# Altium PCB LimeSDR-Micro_M.2_2280_1v2.PcbDoc (part 4 of 9) (continued)
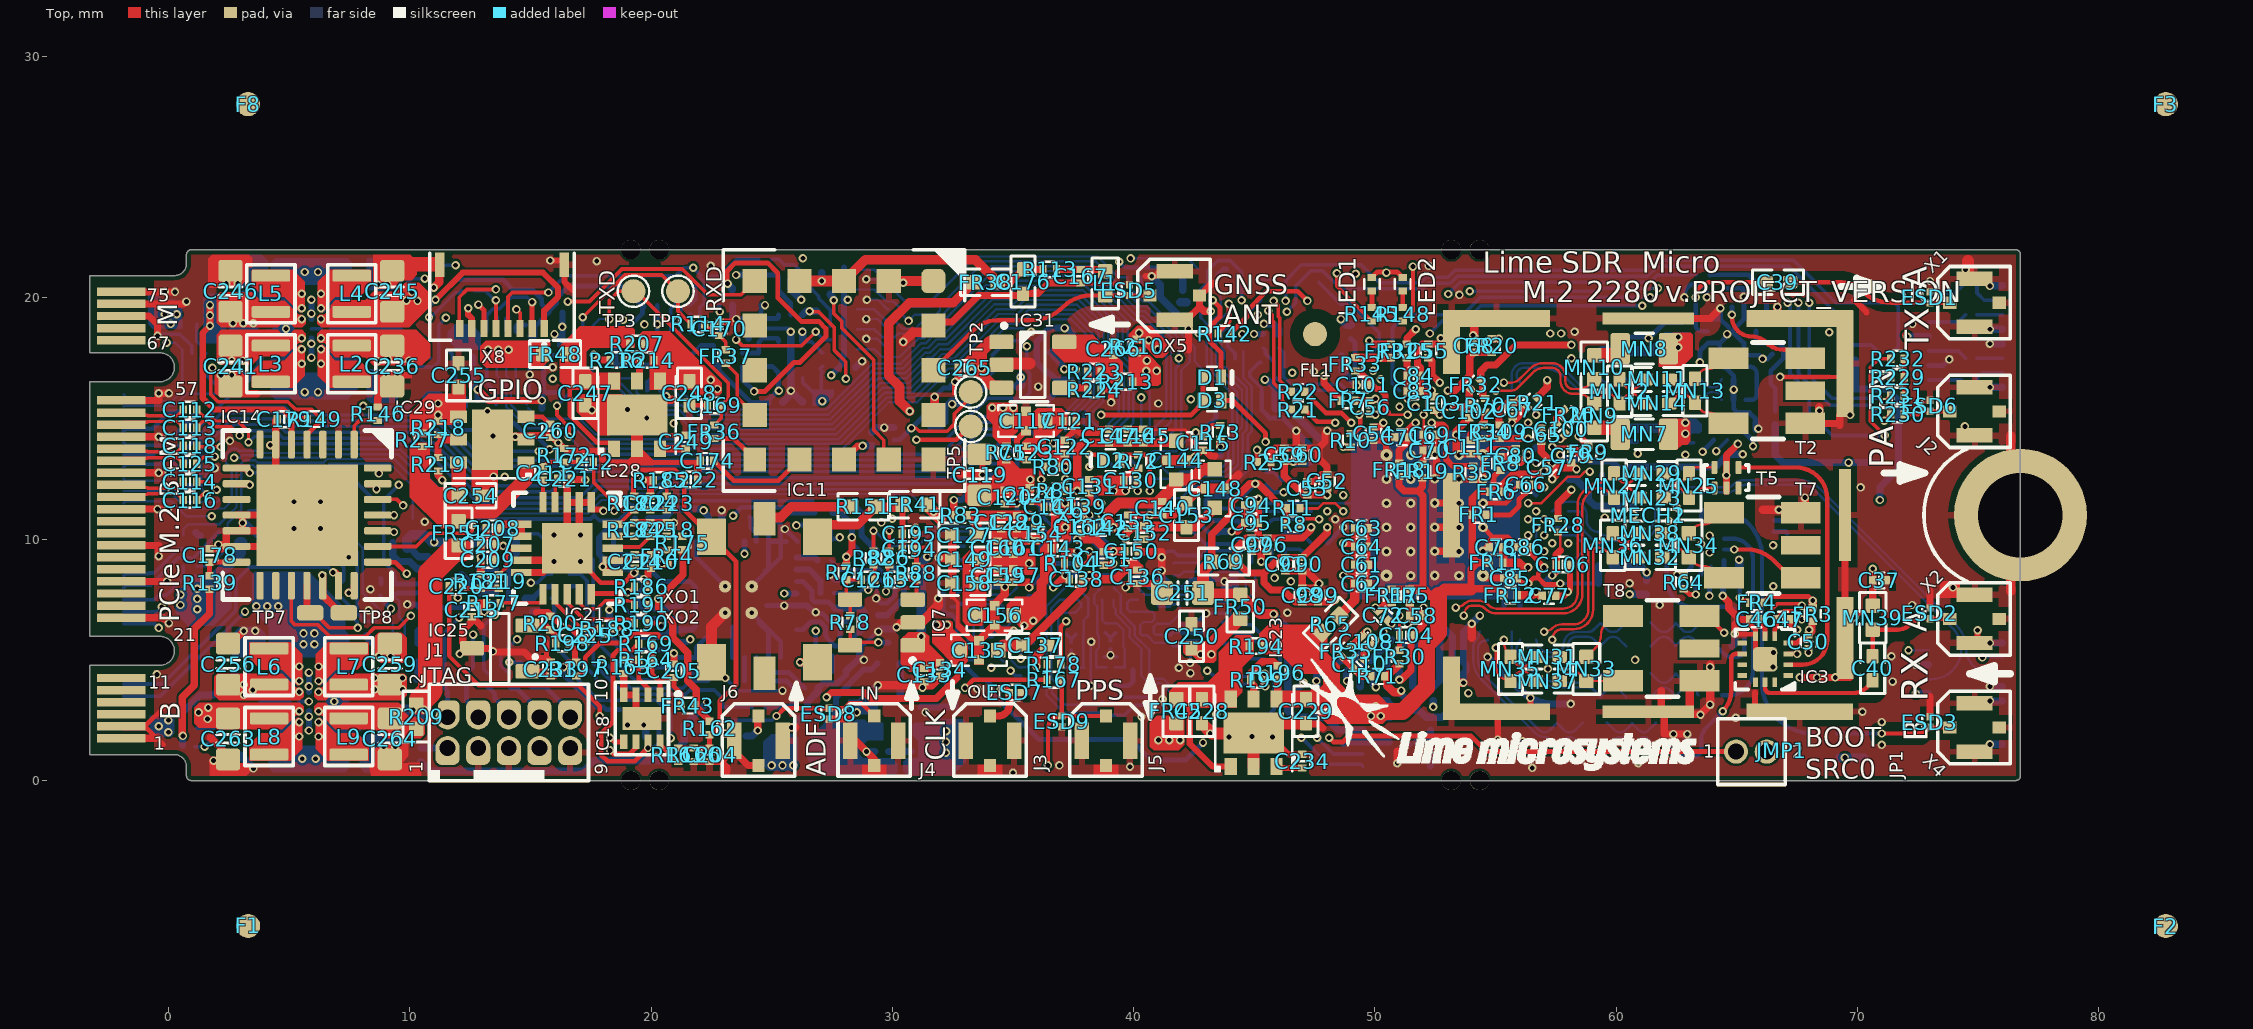
[diagram p0: Top view]
## Nets (pads, with @x,y where several pads share a name; then routed paths per layer and width w, separated by ;. In a path a pad name is that pad's centre, name@x,y a point inside that pad or via, vN(x,y) a via of type N, cw(c..) or ccw(c..) an arc to the next point about the centre after c; other vN are vias at no path point) (continued)
  Bottom w0.25: v1(5.825,2.075) IC30.F3@5.825,2.475 IC30.E3@5.825,2.875 ; IC30.C3@5.825,3.675 v1(5.825,3.9) IC30.B3@5.825,4.075 v1(5.825,4.475) ; v1(5.925,17.525) IC26.B3@5.925,17.925 v1(5.925,18.1) IC26.C3@5.925,18.325 ; IC26.E3@5.925,19.125 v1(5.925,19.35) IC26.F3@5.925,19.525 v1(5.925,19.925) ; v1(9.9,7.3) 10.27,7.3 10.42,7.15 10.445,7.15 10.47,7.125 C232.2@10.47,7.1 ; v2(10.275,4.175) 10.275,4.202 10.3,4.227 IC24.2@10.3,4.925 ; IC12.7@16.325,18.1 C164.2@16.325,19.4 ; v1(19.705,8.35) 19.705,7.971 19.45,7.716 19.45,7.384 19.709,7.125 20.825,7.125 20.95,7.25 IC16.4@21.225,7.25 ; C165.1@20.405,16.175 20.45,16.175 20.625,16 v1(20.625,15.925) ; v1(25.525,7.25) 26.475,7.25 v1@26.8,6.925 ; C193.1@26.955,3.85 27.13,4.025 27.725,4.025 28.08,4.38 R150.2@28.08,4.525 ; v1(27.425,8.525) 27.645,8.305 28.325,8.305 C197.1@28.35,8.33 ; IC17.2@27.525,11.087 27.863,11.087 28.325,10.625 28.325,9.785 C196.1@28.825,9.285 ; IC1.K4@57.011,13.493 v1(57.344,13.16) ; C82.2@59.416,12.685 C107.2@59.416,11.935 60.381,11.935 60.441,11.875 ; v1@63.899,3.15 T6.2@63.899,3.53 T6.5@63.899,4.38 v1@63.899,4.75 ; v1(64.416,7.65) 64.418,7.652 64.418,7.997 C49.2@64.421,8 ; T1.2@64.867,15.775 T1.5@64.867,16.625
  Bottom w0.3: v1(-0.4,14.25) 0.275,14.25 1.18,15.155 R143.2@1.18,15.275 ; v1(2.175,16.8) C235.1@3.488,16.8 ; v1(3.075,10.675) 3.2,10.675 4.375,9.5 C231.1@5.425,9.5 ; C235.1@3.175,16.527 3.8,17.152 3.8,18.215 C244.2@4.15,18.565 ; v1(8.725,5.15) v1(9.2,5.15) ; v2(9.3,9.85) 9.3,9.325 9.55,9.075 C177.2@9.89,9.075 10.003,9.075 10.303,8.775 IC13.7@10.75,8.775 IC13.PAD@11.4,8.775 ; IC13.PAD@12.15,8.525 12.9,7.775 IC13.4@13.55,7.775 ; IC13.PAD@12.9,8.275 IC13.3@13.55,8.275 ; IC13.PAD@12.9,8.775 IC13.2@13.55,8.775 ; IC13.PAD@12.9,9.275 IC13.1@13.55,9.275 ; C206.1@15.1,6.995 15.37,6.995 v2(15.375,7) ; C201.1@18.45,8.815 C199.1@19.1,8.815 19.125,8.815 19.125,8.775 v1(19.3,8.6) 19.569,8.331 v1@19.686,8.331 ; v1(19.7,2.3) v1@19.71,2.29 ; R170.2@19.778,1.8 C202.2@19.778,2.475 ; v1(22.925,11.2) 22.93,11.195 C182.1@22.93,10.875 ; C173.2@23.38,19.7 23.38,19.234 23.5,19.114 v1@23.5,19.1 ; v1@23.501,19.101 23.896,19.101 23.92,19.125 C216.2@23.945,19.125 ; v1(23.525,20.95) C217.1@23.945,20.95 ; C216.2@23.945,19.15 C216.2@23.945,19.125 ; C227.1@24.045,18.325 24.045,19.025 C216.2@23.945,19.125 ; C226.2@25.456,15.681 v1@25.85,16.075 ; v1(25.789,18.6) IC22.2@25.789,18.19 25.789,16.161 26.25,15.7 R135.2@26.295,15.7 ; IC20.2@25.789,20.79 25.789,20.361 v1(26.225,19.925) ; v1(25.825,2.2) 26.48,2.855 R152.2@26.48,3.25 26.48,3.275 26.505,3.275 26.93,3.7 C193.1@26.93,3.825 26.93,3.85 C193.1@26.955,3.85 ; R150.2@28.08,4.525 28.555,5 v1(28.825,5) 28.65,5.175 C187.2@28.65,5.57 ; C163.1@28.475,17.125 v1@28.738,17.387 ; v1(28.93,1.2) R203.2@29.28,1.2 ; C171.2@29.15,14.43 29.345,14.625 IC10.2@30.075,14.625 ; v1(29.425,6.175) 29.439,6.175 29.549,6.285 R85.2@29.85,6.285 30.096,6.285 30.161,6.35 v1(30.175,6.35) ; IC27.PAD@30.325,3.45 IC27.2@30.325,4.85 ; IC27.PAD@31.2,3.046 C239.1@32.586,3.046 32.586,3.489 32.295,3.78 C243.1@32.295,4.29 31.69,4.29 v1(31.25,3.85) ; v1(39.066,15.672) R136.2@39.066,16.045 ; v1(40.75,20.9) 41.1,20.55 41.1,20.033 41.958,19.175 R130.2@42.227,19.175 42.227,18.773 v1(42.275,18.725) ; R15.1@43.491,10.275 43.541,10.325 v1@44.041,10.325 ; v1@46.816,14.365 IC1.J33@47.354,13.826 ; C81.1@47.591,3.88 47.591,4.41 C73.2@47.731,4.55 ; C89.2@48.611,17.6 48.611,17.005 v1(49.241,16.375) ; C28.2@48.7,1.54 48.76,1.6 IC2.7@49.5,1.6 IC2.PAD@50.6,1.6 ; v1@48.831,4.157 C74.2@48.831,4.55 ; C75.2@49.931,4.55 49.931,3.985 v1(50.041,3.875) ; v1@51.011,4.157 C105.2@51.011,4.55 ; IC2.PAD@51.7,1.6 IC2.2@52.3,1.6 ; C88.2@52.122,4.55 52.122,4.943 52.241,5.061 v2(52.241,5.075) ; IC2.4@52.3,0.6 IC2.3@52.3,1.1 IC2.2@52.3,1.6 ; IC2.1@52.3,2.1 IC2.2@52.3,1.6 ; v1(53.666,4.05) 53.666,4.445 C76.2@53.771,4.55 53.771,4.795 53.666,4.9 53.666,6.152 v1(54.014,6.5) v1(54.347,6.833) ; v1(54.666,5.125) 56.085,3.705 ccw(c57.366,4.986) 57.366,3.175 v1(58.116,3.175) ; v1(62.366,1.925) v1(62.941,1.925) ; v1@63.478,2.737 v1(63.891,3.15) ; T4.1@64.8,5.565 64.916,5.68 v1(64.916,6.075) ; v1@65.791,14.55 R63.2@65.791,14.85 ; v1(72.418,4.8) X6.4@72.943,4.8 ; v1(75.483,1.5) X6.15@76.008,1.5 ; v1(75.482,3.3) X6.9@76.007,3.3 ; v1(75.483,3.9) X6.7@76.008,3.9 ; v1(75.483,5.7) X6.1@76.008,5.7 ; v1(75.483,16.3) X7.15@76.008,16.3 ; v1(75.482,18.1) X7.9@76.007,18.1 ; v1(75.483,18.7) X7.7@76.008,18.7 ; v1(75.483,20.5) X7.1@76.008,20.5
  Bottom w0.35: C261.1@3.003,1.022 v1(3.525,0.5) ; v2@8.213,5.987 8.6,5.6 C257.1@8.827,5.6 ; T3.1@62.941,1.41 v1(62.941,1.925) ; C51.2@65.091,8.78 v1(65.091,9.15)
  Bottom w0.4: v3(5.2,10.45) 5.334,10.316 5.334,9.591 C231.1@5.425,9.5
  other v1: 35,0.325 56.516,0.525 39.85,0.575 36.925,0.625 60.916,0.725 1.875,0.825 8.925,1.4 9.4,1.4 71,1.475 56.116,1.625 43.95,1.8 45.75,1.8 44.9,1.825 43.175,1.95 19.025,2.3 71,2.425 64.95,2.6 5.825,2.65 40.325,2.65 31.375,2.825 70.2,2.85 41.2,3.375 33.525,3.8 71.45,4.1 47.575,4.125 48.841,4.125 51.016,4.175 67.6,4.275 68.325,4.275 69.075,4.275 -0.475,4.4 45.425,4.425 42.35,4.45 57.166,4.625 34.1,4.675 41.875,4.675 66.5,4.7 42.341,4.875 60.783,5 37.441,5.125 71.4,5.15 39.041,5.2 66.516,5.3 13.45,5.35 3.6,6.2 27.8,6.6 69.875,6.775 46.375,6.95 26.825,6.975 8.3,7.05 61.8,7.275 72.259,7.274 31.9,7.55 12,7.575 8.375,7.925 73.95,8 66.508,8.05 60.55,8.175 43.766,8.25 41.167,8.7 7.475,9.25 12.945,9.275 63.866,9.45 66.5,9.75 63.516,9.8 63.866,10.15 44.066,10.325 30.975,10.475 29.55,10.7 10.625,10.725 62.166,10.775 60.241,10.9 -0.45,11.25 -0.025,11.25 70.125,12.15 17.275,12.46 13.475,12.6 -0.4,12.75 1.925,12.95 42.516,13.4 62.866,13.5 60.891,13.55 59.341,13.725 36.667,13.975 16.16,14 2.55,14.075 57.677,14.159 14.375,14.25 13.45,14.275 65.891,14.575 29.664,14.625 74.45,14.675 19.825,15.025 50.018,15.158 69.691,15.15 13.225,15.3 17.55,15.35 19.025,15.375 41.025,15.625 25.8,16.15 64.866,16.2 36.05,16.325 50.241,16.625 2.625,16.8 9.025,16.875 9.5,16.875 47.466,16.95 15.925,17.125 28.75,17.375 58.141,17.5 52.725,18.325 61.341,18.325 54.066,18.45 16,18.5 64.591,18.5 68.825,18.575 35.75,18.6 58.275,18.6 4.875,18.725 16.325,18.8 20.256,18.912 72.275,18.925 23.525,19.125 45.15,19.3 53.5,20.125 -0.15,20.25 8.675,20.55 9.075,20.55 2.4,20.6 2.875,20.6 30.45,20.625 73,20.7 74.475,21.175 22.475,21.325 52.225,21.325 17.75,21.525
  other v2: 44.241,5.4 8.2,6 16.915,8.053 30.9,11.15 12.375,14.875 50.684,15.824 11.875,18.3 12.2,18.65
  other v3: 51.48,8.49 52.48,8.5 53.48,8.49 50.48,9.49 51.48,9.49 53.48,9.49 6.3,10.45 50.48,10.49 51.48,10.49 53.48,10.49 50.48,11.49 51.48,11.49 53.48,11.49 5.2,11.55 6.3,11.55 50.48,12.49 51.48,12.49 53.48,12.49 52.48,12.5 51.48,13.49 52.48,13.5
  other v4: 50.48,8.49 17.075,9.075 17.075,10.175
GNSS_1PPS: IC11.6 R176.1 | length 7.9
  Top w0.15: v1(27.575,19.9) 27.575,19.35 27.9,19.025 27.9,18.75 29.225,17.425 29.225,14.525 29.65,14.1 29.65,13.5 IC11.6@29.85,13.3
  Bottom w0.3: R176.1@27.43,20.15 27.43,20.125 27.565,19.99 27.565,19.91 v1(27.575,19.9)
GNSS_ANT: ESD5.1 IC11.3 L1.1 X5.1 | length 10
  Top w0.18: IC11.3@31.7,17 33.368,18.668 cw(c34.35,17.687) 34.35,19.075 35.747,19.075 ccw(c35.747,20.953) 37.075,19.625 cw(c38.222,18.478) 38.222,20.1 L1.1@38.825,20.1 ESD5.1@39.825,20.1 X5.1@40.675,20.1
GNSS_FIX: IC11.13 IC14.21 | length 30.2
  Top w0.15: v1(16.55,19.85) 17.45,19.85 18.8,21.2 21.3,21.2 22.375,20.125 23.725,20.125 IC11.13@24.3,20.7
  Top w0.3: IC14.21@7.7,7.775 IC14.21@7.7,8.075
  Top w0.35: v1(7.475,7.775) IC14.21@7.675,7.775
  L6 w0.1: v1(7.475,7.775) 7.475,8.175 8.1,8.8 8.1,12.56 8.615,13.075 9.259,13.075 10.809,14.625 11.392,14.625 11.775,15.008 11.775,15.545 12.08,15.85 13.017,15.85 13.342,16.175 13.55,16.175 14.775,17.4 14.775,18.15 14.25,18.675 13.665,18.675 13.275,19.065 13.275,19.35 13.45,19.525 13.695,19.525 14.02,19.85 14.56,19.85 14.91,19.5 15.85,19.5 16,19.65 16.35,19.65 v1(16.55,19.85)
GNSS_HW_R: C171.1 IC11.7 | length 1.4
  Top w0.3: IC11.7@28,13.3 28.56,13.86 28.76,13.86 v1(28.77,13.87)
  Bottom w0.3: v1(28.77,13.87) C171.1@29.15,13.87
GNSS_HW_S: C174.1 IC11.8 | length 4.3
  Top w0.2: C174.1@22.605,13.25 22.605,13.225 22.655,13.175 22.68,13.175 23.43,12.425 25.275,12.425 IC11.8@26.15,13.3
GNSS_RXD: IC12.10 R114.1 TP4.1 | length 7.2
  Top w0.15: v1(17.175,19.2) 18.925,20.95 20.445,20.95 TP4.1@21.12,20.275 21.12,19.45 R114.1@21.67,18.9
  Bottom w0.15: IC12.10@17.175,18.6 v1(17.175,19.2)
GNSS_RXD_LS: IC6.P9 IC12.3 | length 30.9
  Bottom w0.1: IC12.3@17.175,17.05 17.175,16.8 17.725,16.25 18.667,16.25 19.567,15.35 20.15,15.35 20.35,15.15 21.1,15.15 21.688,14.562 27.593,14.562 29.506,16.475 30.68,16.475 31.53,17.325 31.722,17.325 32.072,17.675 32.447,17.675 34.306,19.535 35.094,19.535 35.284,19.725 35.289,19.725 35.479,19.915 37.74,19.915 38.95,18.705 38.95,17.344 39.391,16.903 39.391,15.214 38.967,14.79 38.967,14.3 IC6.P9@38.667,14
GNSS_TXD: C169.1 FR36.1 IC12.11 TP3.1 | length 10.5
  Top w0.15: v1(18.275,19.125) 18.275,19.9 18.65,20.275 TP3.1@19.275,20.275 19.4,20.275 23.2,16.475 23.2,15.845 23.005,15.65 22.98,15.65 22.905,15.575 C169.1@22.905,15.55 22.905,15.01 22.725,14.83 22.725,14.805 22.65,14.73 FR36.1@22.625,14.73
  Bottom w0.1: IC12.11@17.575,18.6 17.575,18.837 17.863,19.125 v1(18.275,19.125) v1@18.3,19.125
GNSS_TXD_LS: IC6.P10 IC12.2 | length 30.6
  Bottom w0.1: IC12.2@17.575,17.05 17.575,16.8 17.925,16.45 18.75,16.45 19.65,15.55 20.233,15.55 20.433,15.35 21.183,15.35 21.771,14.762 27.511,14.762 29.424,16.675 30.597,16.675 31.447,17.525 31.639,17.525 31.989,17.875 32.364,17.875 34.223,19.735 35.011,19.735 35.201,19.925 35.206,19.925 35.396,20.115 37.823,20.115 39.15,18.788 39.15,17.426 39.591,16.986 39.591,15.131 39.167,14.707 39.167,14.217 IC6.P10@39.167,14
I2C_SDA_SEL: IC14.28 IC24.6 R195.1 | length 9.6
  Top w0.3: v1(8.725,12.725) IC14.28@8.725,12.886
  L6 w0.1: v1(8.725,12.725) 8.64,12.725 8.3,12.385 8.3,9.542 8.942,8.9 10.075,8.9 11.025,7.95 v2(11.025,6.125)
  Bottom w0.15: IC24.6@10.8,5.65 10.8,5.9 10.955,6.055 10.955,6.3 11.03,6.375 R195.1@11.03,6.4
JTAG_RST: D3.C R95.2 | length 43.3
  Top w0.2: D3.C@43.625,15.75 44.1,15.75 45.466,14.384 v1(45.466,14.034) v1@45.54,14.034
  L6 w0.1: v1(14.125,4.9) 14.325,5.1 16.492,5.1 16.917,4.675 18.208,4.675 19.508,3.375 20.15,3.375 20.6,2.925 24.317,2.925 24.892,2.35 25.515,2.35 25.69,2.525 26.601,2.525 26.976,2.9 27.417,2.9 27.967,3.45 35.299,3.45 37.299,5.45 37.775,5.45 37.925,5.3 38.45,5.3 38.85,5.7 40.175,5.7 43.35,8.875 43.35,9.75 43.5,9.9 43.5,11.575 45.466,13.541 v1(45.466,14.034)
  Bottom w0.2: v1(14.125,4.9) 14.58,4.9 14.975,4.505 14.975,4.48 15.025,4.43 R95.2@15.05,4.43
LA_CFG_BOOT_HO: IC6.R14 R123.2 R132.1 | length 19.3
  Bottom w0.1: R123.2@28.55,18.7 R132.1@29.265,18.7 29.265,18.675 29.365,18.575 29.39,18.575 29.59,18.375 30.1,18.375 30.25,18.525 31.224,18.525 31.574,18.875 31.949,18.875 32.45,19.376 32.45,19.384 34.181,21.115 38.261,21.115 40.126,19.25 40.392,19.25 41.55,18.092 41.55,14.883 IC6.R14@41.167,14.5
LA_CFG_BOOT_SRC0: IC6.M14 JP1.1 R121.2 R130.1 | length 58.3
  Top w0.2: v1(48.1,1.775) 48.275,1.6 48.675,1.6 48.925,1.85 53.975,1.85 54.625,1.2 JP1.1@64.965,1.2
  L4 w0.1: v1(44.475,19.9) 44.475,18.95 44.125,18.6 44.125,18.267 44.767,17.625 46.31,17.625 46.9,17.035 46.9,15.075 47.824,14.151 48.821,14.151 49.15,13.822 49.15,10.7 49.45,10.4 49.45,9.825 50.275,9 50.65,9 51,8.65 51,7.723 52.075,6.648 52.075,6.2 51.7,5.825 51.314,5.825 51.114,5.625 50.269,5.625 50.153,5.509 49.765,5.509 48.516,4.26 48.516,3.416 48.1,3 v1(48.1,1.775)
  Bottom w0.1: IC6.M14@41.167,13 41.467,12.7 41.833,12.7 41.933,12.8 43.766,12.8 44.125,13.159 44.125,14.541 44.141,14.556 44.141,14.574 44.291,14.724 44.291,16.102 43.668,16.725 43.458,16.725 43.025,17.158 43.025,18.937 R130.1@42.787,19.175
  Bottom w0.15: R121.2@42.78,19.825 42.78,20.355 43.075,20.65 43.075,21.135 43.49,21.55 43.995,21.55 44.475,21.07 v1(44.475,19.9) ; R130.1@42.787,19.175 R121.2@42.787,19.843
LA_CFG_BOOT_SRC1: IC6.P15 IC8.4 R122.2 R129.1 R131.1 | length 52.4
  L6 w0.1: v2(13.575,15.6) 14.25,15.6 15.35,16.7 15.35,17.01 15.79,17.45 16.25,17.45 16.575,17.125 21.675,17.125 21.875,17.325 22.778,17.325 23.403,16.7 24.5,16.7 24.825,16.375 24.825,16.075 25.5,15.4 28.135,15.4 30.825,18.09 30.825,18.9 v1(30.675,19.05) ; v2(33.675,21.375) 37.65,21.375 37.763,21.488 v1@39.4,21.488
  Bottom w0.1: R122.2@28.55,20.35 R131.1@29.265,20.35 29.265,20.325 29.365,20.225 29.39,20.225 29.765,19.85 30.05,19.85 30.3,19.6 30.3,19.425 v1(30.675,19.05) 30.925,19.3 31.8,19.3 31.975,19.475 31.975,19.675 v2(33.675,21.375) 33.815,21.515 38.427,21.515 40.292,19.65 40.558,19.65 42.325,17.883 42.325,17.35 41.975,17 41.975,14.308 IC6.P15@41.667,14
  Bottom w0.15: IC8.4@13.2,17.05 13.2,16.45 13.575,16.075 v2(13.575,15.6) ; v1(39.4,21.5) 39.637,21.263 41.19,21.263 R129.1@41.477,20.975
LA_CFG_PCIE_GEN: IC6.P13 R128.2 R137.1 | length 19.8
  Bottom w0.1: R128.2@28.55,17.875 R137.1@29.265,17.875 29.265,17.866 29.581,17.55 30.305,17.55 31.08,18.325 31.307,18.325 31.657,18.675 32.032,18.675 33.782,20.425 33.892,20.535 34.679,20.535 34.87,20.725 34.875,20.725 35.065,20.915 38.179,20.915 40.044,19.05 40.31,19.05 41.35,18.01 41.35,15.108 40.867,14.624 40.867,14.2 IC6.P13@40.667,14
LA_CFG_RST_HNDSHK: IC6.P14 IC9.1 R124.2 R133.1 R140.1 | length 39.2
  L6 w0.1: v2(22.025,15.9) 21.5,15.9 21.325,16.075 21.325,16.46 21.99,17.125 22.695,17.125 23.32,16.5 24.417,16.5 24.625,16.292 24.625,15.992 25.417,15.2 28.217,15.2 31.175,18.158 v2(31.175,18.95) ; v1(41.875,17.5) 42.1,17.725 42.934,17.725 43.509,18.3 44.3,18.3 v1(44.5,18.5)
  Bottom w0.1: v2(22.025,15.9) IC9.1@22.025,17.1 ; R124.2@28.55,19.525 R133.1@29.265,19.525 29.265,19.5 29.365,19.4 29.39,19.4 29.69,19.1 30.05,19.1 30.425,18.725 30.95,18.725 v2(31.175,18.95) 31.325,19.1 31.883,19.1 34.098,21.315 38.344,21.315 40.209,19.45 40.475,19.45 41.875,18.05 v1(41.875,17.5) 41.875,17.225 41.75,17.1 41.75,14.583 IC6.P14@41.167,14
  Bottom w0.2: R140.1@44.5,18.223 v1(44.5,18.5)
LA_CFG_TEST_PORT_DIS: IC6.M15 IC9.2 R125.2 R134.1 R138.1 | length 40.2
  L6 w0.1: v2(21.65,16.325) 22.25,16.925 22.612,16.925 23.737,15.8 24.475,15.8 25.275,15 28.3,15 31.638,18.337 v2(31.638,19.637)
  Bottom w0.1: IC9.2@21.625,17.05 21.575,17 21.575,16.75 21.65,16.825 v2(21.65,16.325) ; R125.2@28.55,21.175 R134.1@29.265,21.175 29.265,21.15 29.365,21.05 29.39,21.05 29.765,20.675 30.037,20.675 30.125,20.587 30.125,20.25 30.738,19.637 v2(31.638,19.637) 31.638,19.913 33.44,21.715 38.51,21.715 39.375,20.85 R138.1@39.745,20.85 39.745,20.488 40.383,19.85 40.641,19.85 42.525,17.966 42.525,17.375 43.375,16.525 43.585,16.525 44.091,16.019 44.091,14.806 43.941,14.656 43.941,14.639 43.925,14.624 43.925,13.242 43.683,13 IC6.M15@41.667,13
LA_DCS_CLK_N: IC6.F2 R86.2 | length 7
  Top w0.15: R86.2@29.87,9.505 v1(29.87,10.355) v1@29.87,10.405
  Bottom w0.1: v1(29.87,10.355) 29.87,10.055 30,9.925 30.975,9.925 31.575,10.525 34.642,10.525 IC6.F2@35.167,10
LA_DCS_CLK_P: IC6.F1 R82.2 | length 7
  Top w0.15: R82.2@29.22,9.505 v1(29.22,10.355) v1@29.22,10.405
  Bottom w0.1: v1@29.245,10.38 29.9,9.725 31.058,9.725 31.658,10.325 34.342,10.325 IC6.F1@34.667,10
LA_GPIO_05: IC6.L13 R141.1 | length 12.2
  Bottom w0.1: IC6.L13@40.667,12.5 41.916,12.5 42.016,12.6 43.849,12.6 44.325,13.076 44.325,14.458 44.341,14.474 44.341,14.491 44.491,14.641 44.491,16.185 43.751,16.925 43.541,16.925 43.225,17.241 43.225,18.308 43.225,19.015 43.612,19.403 R141.1@43.612,20.29 ; R141.1@43.462,20.415 R141.1@43.487,20.415 R141.1@43.512,20.39 ; R141.1@43.512,20.415 R141.1@43.512,20.39 ; R141.1@43.587,20.315 R141.1@43.512,20.39
LA_GPIO_06: IC6.K15 R142.1 | length 12.4
  Top w0.2: R142.1@43.495,18.525 43.495,18.573 43.95,19.028 v1(43.95,19.75)
  Bottom w0.1: IC6.K15@41.667,12 41.983,12 42.383,12.4 43.931,12.4 44.525,12.994 44.525,14.375 44.691,14.541 44.691,16.268 43.833,17.125 43.624,17.125 43.425,17.324 43.425,18.933 43.95,19.458 v1(43.95,19.75)
LA_HRESET: D1.A D2.A D3.A IC6.K13 R72.2 | length 12.2
  Top w0.2: v1(38.65,15.15) 42.38,15.15 42.875,15.645 D3.A@42.875,15.75 D1.A@42.875,16.7 ; D2.A@39.341,13.5 40.466,13.5 40.667,13.299 v1(40.667,12)
  L3 w0.1: v1(38.65,15.15) 40.667,13.133 v1(40.667,12)
LA_I2C_SCL: IC10.1 IC10.4 IC13.6 IC14.8 IC15.6 IC18.5 IC26.E5 IC30.E5 R26.1 R115.2 R204.2 R222.2 R225.2 TP2.1 VT1.D | length 143.9
  Top w0.15: v1(30.794,14.605) 30.998,14.605 31.128,14.475 32.272,14.475 32.575,14.778 32.575,15.205 33.25,15.88 TP2.1@33.25,16.1
  Top w0.2: v1(18.3,1.775) 18.475,1.6 IC18.5@18.875,1.6
  Top w0.3: IC14.8@2.825,12.95 3.25,12.95 3.25,12.889 3.375,12.764 v1(3.375,12.75)
  L6 w0.1: v1(1.5,1.4) 3.575,1.4 4.038,1.863 ; v1(3.375,12.75) 3.675,12.75 4.55,13.625 4.55,13.9 5.3,14.65 5.3,16.275 5.475,16.45 6.314,16.45 7.1,17.236 7.1,17.99 8.51,19.4 10.475,19.4 10.65,19.575 10.65,20.775 v1(10.625,20.8) ; v2(9.325,8.15) 9,8.475 8.383,8.475 8.025,8.117 8.025,7.583 7.545,7.102 5.582,7.102 4.05,5.57 4.05,1.875 4.038,1.863 ; v1(9.55,12.25) 10.225,12.25 11.075,13.1 16.175,13.1 16.76,13.685 25.027,13.685 27.887,10.825 28.617,10.825 29.8,12.008 29.8,13.611 v1(30.794,14.605) 31.94,14.605 33.86,16.525 35.125,16.525 v1(35.321,16.721) 36.146,16.721 36.742,16.125 38.333,16.125 38.633,16.425 39.434,16.425 39.884,15.975 39.884,15.848 40.182,15.55 40.451,15.55 40.851,15.95 41.64,15.95 41.815,16.125 43.349,16.125 46.35,19.126 v1(46.35,19.425) ; v1(18.3,1.775) 17.075,0.55 5.35,0.55 4.038,1.863
  Bottom w0.15: R222.2@1.1,1.4 v1(1.5,1.4) 2.975,2.875 4.225,2.875 IC30.E5@5.025,2.875 ; v1(3.375,12.75) 7.4,12.75 8.525,11.625 8.925,11.625 ; IC26.E5@6.725,19.125 7.525,19.125 R204.2@7.8,19.4 7.8,19.425 7.875,19.5 7.888,19.5 8.338,19.95 9.225,19.95 10.065,20.79 10.615,20.79 v1(10.625,20.8) ; R26.1@9.355,8.375 9.355,8.62 8.925,9.05 8.925,11.625 ; v1(9.55,12.25) 8.925,11.625 ; R115.2@34.41,16.35 VT1.D@35.221,16.35 ; v1(46.35,19.425) 46.725,19.8 46.725,20.5 47.35,21.125 47.83,21.125 48.58,20.375 51.997,20.375 52.222,20.6 53.121,20.6 53.421,20.9 61.304,20.9 61.709,21.305 63.543,21.305 63.548,21.3 63.653,21.3 63.658,21.305 67.17,21.305 69.5,18.975 69.5,18.325 69.775,18.05 70.572,18.05 70.9,17.722 IC15.6@70.9,17.425
  Bottom w0.2: v2(9.325,8.15) 10.45,8.15 10.575,8.275 IC13.6@10.75,8.275 ; IC10.1@30.075,14.125 30.314,14.125 v1(30.794,14.605) 31.274,15.085 31.535,15.085 IC10.4@31.575,15.125
  Bottom w0.25: v2(9.325,8.15) 9.34,8.165 9.34,8.36 R26.1@9.355,8.375
  Bottom w0.4: VT1.D@35.221,16.35 35.271,16.35 35.321,16.4 v1(35.321,16.721)
LA_I2C_SCL_LS: IC6.P6 R116.2 R228.1 VT1.S | length 36.1
  L4 w0.1: v1(20.95,14.8) 25.683,14.8 27.008,16.125 30.242,16.125 32.517,18.4 34.191,18.4 35.191,17.4 37.25,17.4 v1(37.6,17.05)
  L6 w0.1: v1(15.35,13.65) 15.35,14.125 15.8,14.575 20.725,14.575 v1(20.95,14.8)
  Bottom w0.1: R116.2@37.239,16.063 37.264,16.063 R116.2@37.364,15.963 ; R116.2@37.414,16.063 37.439,16.063 37.539,16.163 37.539,16.188 37.741,16.389 37.741,16.909 v1(37.6,17.05)
  Bottom w0.15: R228.1@10.58,15.55 10.58,15.905 10.738,16.063 11.232,16.063 11.525,15.77 11.525,14.876 12.273,14.128 12.273,14.098 12.721,13.65 v1@15.3,13.65 ; VT1.S@36.511,15.86 36.511,14.656 IC6.P6@37.167,14
  Bottom w0.25: VT1.S@36.511,15.86 36.561,15.86 36.763,16.063 R116.2@37.239,16.063 ; R116.2@37.264,16.063 R116.2@37.364,16.063
LA_I2C_SDA: IC10.6 IC13.5 IC14.9 IC15.5 IC18.6 IC24.4 R30.1 R120.2 R226.2 TP5.1 VT2.D | length 156
  Top w0.2: v1(18.3,1.25) 18.45,1.1 19.125,1.1 19.375,1.35 IC18.6@19.375,1.6 ; v1(31,14.125) 32.65,14.125 TP5.1@33.25,14.725
  Top w0.3: IC14.9@2.825,12.3 3.311,12.3 3.361,12.25 v1(3.375,12.25)
  L4 w0.1: v1(10.8,19.2) 10.8,18.875 13.938,15.737 v1(13.938,12.588)
  L6 w0.1: v2(9.725,7.775) 9.725,8.225 9.275,8.675 8.3,8.675 7.825,8.2 7.825,7.665 7.462,7.302 5.499,7.302 3.85,5.653 3.85,3.525 2.2,1.875 1.425,1.875 ; v1(10.8,19.2) 8.592,19.2 7.3,17.908 7.3,17.139 6.525,16.364 6.525,15.575 4.75,13.8 4.75,13.475 3.525,12.25 v1(3.375,12.25) 2.4,13.225 2.4,13.51 2.59,13.7 2.86,13.7 3.01,13.55 3.31,13.55 3.645,13.885 3.645,14.154 3.175,14.625 2.64,14.625 2.315,14.3 1.075,14.3 0.375,13.6 -0.335,13.6 -0.725,13.21 -0.725,12.575 -0.53,12.38 -0.155,12.38 1.45,10.775 1.45,9.15 1.6,9 1.6,3.8 0.8,3 0.8,2.5 1.425,1.875 ; v1(13.938,12.588) 14.25,12.9 16.258,12.9 16.843,13.485 24.945,13.485 27.805,10.625 28.7,10.625 30,11.925 30,13.125 v1(31,14.125) ; v1(18.3,1.25) 18.291,1.241 18.049,1.241 17.158,0.35 5.25,0.35 4.45,1.15 1.74,1.15 1.665,1.075 1.365,1.075 1.175,1.265 1.175,1.625 1.425,1.875 ; v1(35.575,18) 35.775,17.8 36.492,17.8 36.692,17.6 37.7,17.6 37.925,17.825 40.585,17.825 41.235,17.175 42.667,17.175 43.492,18 44.283,18 44.458,18.175 45.117,18.175 46.025,19.083 46.025,19.6 v1(46.3,19.875)
  Bottom w0.1: R30.1@9.355,7.65 9.355,7.625 9.455,7.525 9.48,7.525 9.575,7.43 9.575,6.75 9.8,6.525 IC24.4@9.8,5.65
  Bottom w0.15: v1(10.8,19.2) 10.875,19.2 11.888,20.213 12.07,20.213 12.145,20.288 R226.2@12.145,20.3 ; v1(31,14.125) IC10.6@31.575,14.125 32.22,14.125 33.945,15.85 35.482,15.85 35.696,16.064 35.696,16.876 35.575,16.997 35.575,17.871 VT2.D@35.221,18.225 34.74,18.225 R120.2@34.15,17.635 ; v1(46.3,19.875) 46.3,20.725 46.95,21.375 49.425,21.375 50.175,20.625 51.894,20.625 52.119,20.85 53.018,20.85 53.318,21.15 61.2,21.15 61.605,21.555 67.345,21.555 69.1,19.8 71.522,19.8 71.688,19.635 71.688,17.963 71.475,17.75 71.4,17.675 IC15.5@71.4,17.425
  Bottom w0.2: R30.1@9.355,7.65 9.355,7.675 9.405,7.725 9.43,7.725 9.48,7.775 v2(9.725,7.775) IC13.5@10.75,7.775
LA_I2C_SDA0: IC24.3 IC26.D5 R206.2 | length 21.3
  L6 w0.1: v2(5.9,11.175) 5.9,12.275 6.375,12.75 6.375,13.162 7.983,14.77 8.155,14.77 10.85,17.465 v2(10.85,17.5)
  Bottom w0.1: v2(5.9,11.175) 6.525,11.175 8.05,9.65 8.05,8.068 8.05,7.79 9.3,6.54 9.3,5.55 9.8,5.05 IC24.3@9.8,4.925
  Bottom w0.15: IC26.D5@6.725,18.725 9.625,18.725 v2(10.85,17.5)